# Altium PCB m-BLANC.PcbDoc (part 8 of 15)
Units mm, origin at the board's own origin, x right, y up, seen from the top; angles counter-clockwise.
Board outline 100 x 100 mm, 6 copper layers (Top Layer, InLayer1 (GND), InLayer2 (Signal), InLayer3 (PWR), InLayer4 (GND), Bottom Layer), stack 1.634 mm thick; 322 components, 563 nets, 2865 pads, 1870 vias.
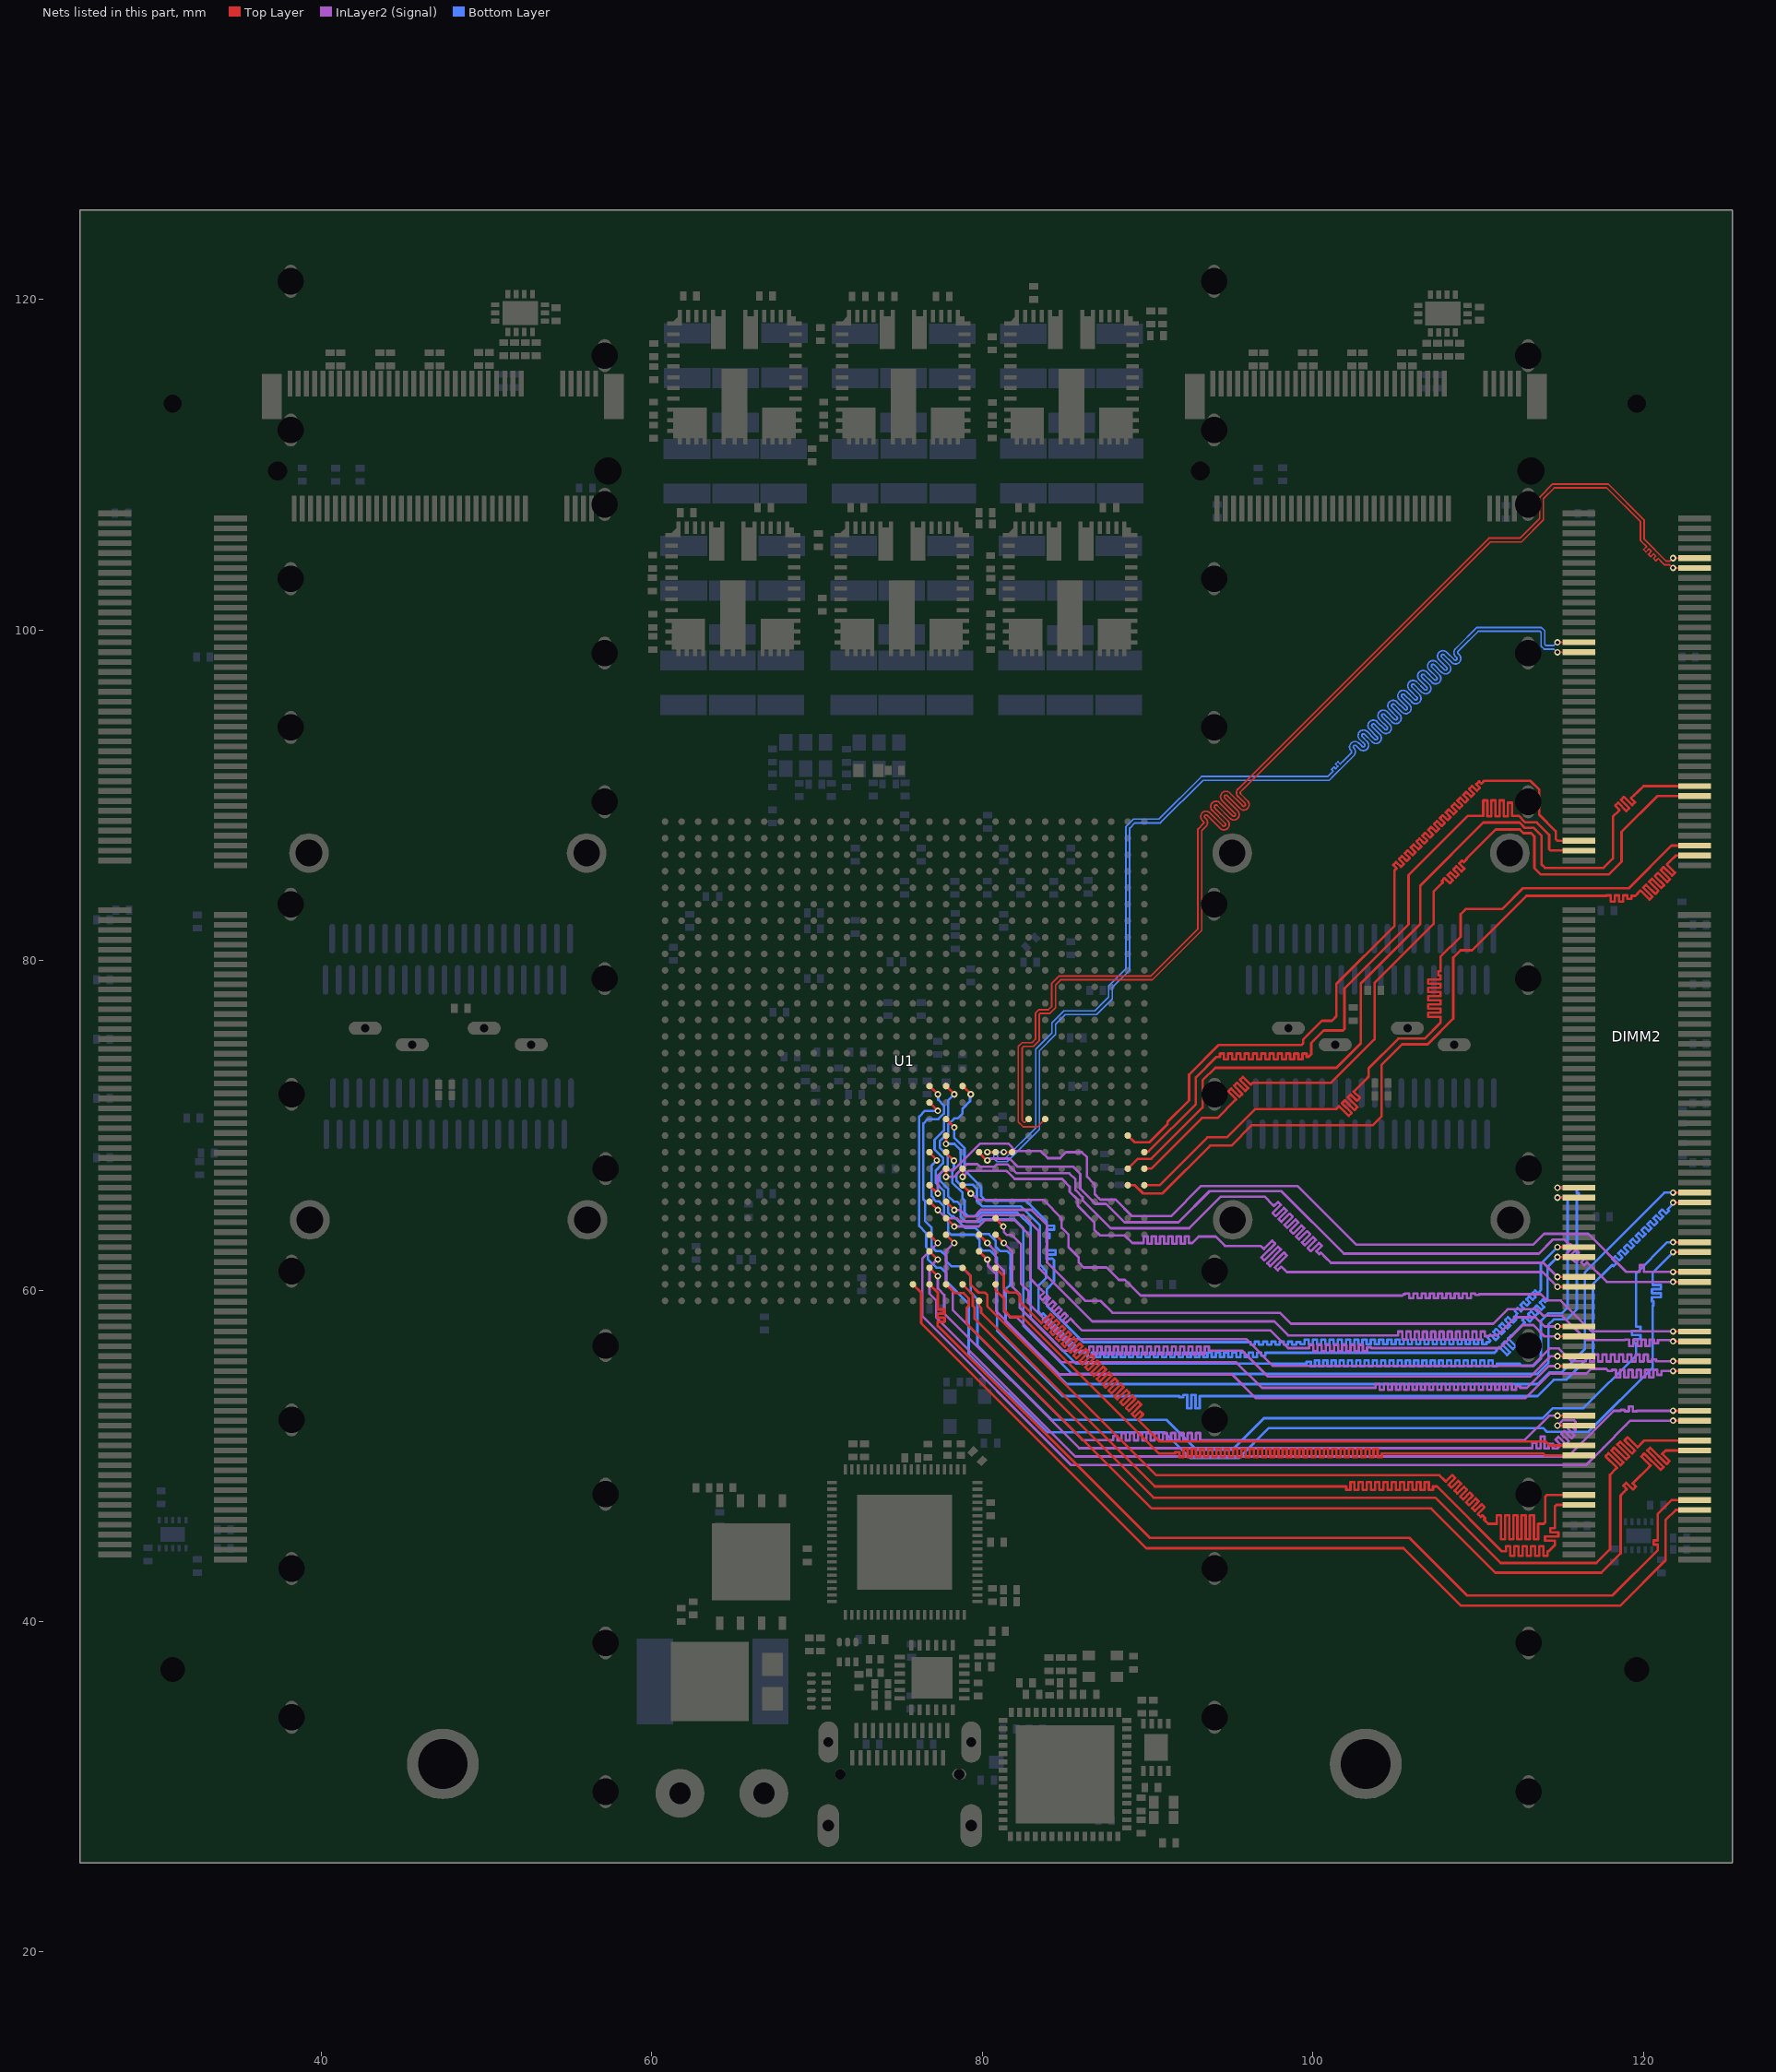
[diagram p12: the nets of this part, all layers, seen from the top]

## Via types
v1: diameter 0.4, hole 0.2, Top Layer to Bottom Layer, tented both sides, 1808 vias
v2: diameter 0.8, hole 0.4, Top Layer to Bottom Layer, tented both sides, 54 vias
v3: diameter 5, hole 3.2, Top Layer to Bottom Layer, 4 vias
v4: diameter 3.5, hole 3.2, Top Layer to Bottom Layer, 4 vias

## Nets (pads, with @x,y where several pads share a name; then routed paths per layer and width w, separated by ;. In a path a pad name is that pad's centre, name@x,y a point inside that pad or via, vN(x,y) a via of type N, cw(c..) or ccw(c..) an arc to the next point about the centre after c; other vN are vias at no path point) (continued)
DRAM2_DQ26: DIMM2.67 U1.B20 | length 55.5
  Top Layer w0.15: U1.B20@88.8,69.4 89.2,69 90.123,69 91.211,70.089 91.211,70.23 92.51,71.529 92.51,73.092 94.302,74.884 99.32,74.884 99.408,74.972 99.408,75.208 100.545,76.345 101.145,76.345 101.414,76.614 101.414,78.566 104.941,82.093 104.941,85.451 105.012,85.522 105.065,85.575 104.859,85.781 105.036,85.958 105.331,85.663 105.508,85.84 105.212,86.135 105.389,86.312 105.685,86.016 105.861,86.193 105.566,86.489 105.743,86.665 106.038,86.37 106.215,86.547 105.92,86.842 106.096,87.019 106.392,86.723 106.569,86.9 106.273,87.196 106.45,87.372 106.745,87.077 106.922,87.254 106.627,87.549 106.803,87.726 107.099,87.431 107.276,87.607 106.98,87.903 107.157,88.08 107.452,87.784 107.629,87.961 107.334,88.256 107.511,88.433 107.806,88.138 107.983,88.314 107.687,88.61 107.864,88.787 108.16,88.491 108.336,88.668 108.041,88.963 108.218,89.14 108.513,88.845 108.69,89.022 108.394,89.317 108.571,89.494 108.867,89.198 109.043,89.375 108.748,89.671 108.925,89.847 109.22,89.552 109.397,89.729 109.102,90.024 109.278,90.201 109.574,89.905 109.751,90.082 109.455,90.378 109.632,90.554 109.927,90.259 110.104,90.436 109.877,90.663 110.054,90.84 110.192,90.701 110.362,90.872 110.391,90.872 113.161,90.872 113.691,90.342 113.691,88.834 114.7,87.825 114.7,87.338 114.788,87.25 DIMM2.67@116.1,87.25
DRAM2_DQ27: DIMM2.69 U1.A21 | length 55.3
  Top Layer w0.15: U1.A21@89.8,68.4 89.847,68.447 90.054,68.447 92.918,71.311 92.918,72.916 94.168,74.166 94.297,74.166 94.372,74.166 94.372,74.366 94.622,74.366 94.622,74.023 94.872,74.023 94.872,74.366 95.122,74.366 95.122,74.023 95.372,74.023 95.372,74.366 95.622,74.366 95.622,74.023 95.872,74.023 95.872,74.366 96.122,74.366 96.122,74.023 96.372,74.023 96.372,74.366 96.622,74.366 96.622,74.023 96.872,74.023 96.872,74.366 97.122,74.366 97.122,74.023 97.372,74.023 97.372,74.366 97.622,74.366 97.622,74.023 97.872,74.023 97.872,74.366 98.122,74.366 98.122,74.023 98.372,74.023 98.372,74.366 98.622,74.366 98.622,74.023 98.872,74.023 98.872,74.366 99.122,74.366 99.122,74.023 99.372,74.023 99.372,74.366 99.622,74.366 99.622,74.166 99.744,74.166 99.829,74.251 99.9,74.322 99.9,75 100.657,75.757 101.819,75.757 101.907,75.845 101.907,78.307 105.788,82.188 105.788,85.166 109.378,88.756 110.229,88.756 110.304,88.756 110.304,89.69 110.554,89.69 110.554,88.721 110.804,88.721 110.804,89.69 111.054,89.69 111.054,88.721 111.304,88.721 111.304,89.69 111.554,89.69 111.554,88.721 111.804,88.721 111.804,89.541 112.054,89.541 112.054,88.756 112.404,88.756 112.451,88.756 112.852,88.354 113.546,88.354 114.3,87.6 114.3,86.738 114.388,86.65 DIMM2.69@116.1,86.65
DRAM2_DQ28: DIMM2.56 U1.B22 | length 56
  Top Layer w0.15: U1.B22@88.8,67.4 89.4,68 90.226,68 93.323,71.096 93.323,72.738 94.085,73.5 101.421,73.5 102.9,74.979 102.9,78.6 106.5,82.2 106.5,84.534 110.316,88.35 112.503,88.35 112.833,88.02 113.364,88.02 113.845,87.54 113.845,85.794 114.039,85.6 117.6,85.6 118.159,86.159 118.159,88.704 118.504,89.049 118.557,89.102 118.294,89.366 118.47,89.543 118.968,89.045 119.144,89.222 118.647,89.719 118.824,89.896 119.321,89.399 119.498,89.576 119.247,89.827 119.424,90.004 119.441,89.986 119.696,90.241 120.005,90.55 DIMM2.56@123.1,90.55
DRAM2_DQ29: DIMM2.58 U1.A22 | length 57.3
  Top Layer w0.15: U1.A22@89.8,67.4 90.215,67.4 93.287,70.472 94.232,70.472 95.3,71.54 95.353,71.593 94.876,72.071 95.053,72.248 95.554,71.746 95.731,71.923 95.229,72.424 95.406,72.601 95.907,72.1 96.084,72.277 95.583,72.778 95.76,72.955 96.237,72.477 96.359,72.599 96.381,72.599 101.099,72.599 103.729,75.229 103.729,78.629 107.3,82.2 107.3,84.16 107.82,84.68 107.873,84.733 107.799,84.807 107.976,84.984 108.291,84.669 108.468,84.846 108.152,85.161 108.329,85.338 108.644,85.022 108.821,85.199 108.506,85.514 108.683,85.691 108.998,85.376 109.175,85.553 108.859,85.868 109.036,86.045 109.131,85.95 109.308,86.127 109.287,86.147 109.473,86.334 111.065,87.925 112.517,87.925 112.743,87.7 113.2,87.7 113.404,87.496 113.404,85.594 113.798,85.2 117.9,85.2 118.682,85.982 118.682,87.782 120.85,89.95 DIMM2.58@123.1,89.95
DRAM2_DQ30: DIMM2.68 U1.A23 | length 57.5
  Top Layer w0.15: U1.A23@89.8,66.4 90.723,66.4 93.623,69.3 94.8,69.3 96.5,71 101.303,71 101.402,71 101.405,71.003 101.403,71.005 101.58,71.182 102.171,70.592 102.348,70.768 101.757,71.359 101.934,71.536 102.524,70.945 102.701,71.122 102.11,71.713 102.287,71.889 102.67,71.507 102.847,71.683 102.466,72.064 103.162,72.76 103.375,72.973 103.375,73.475 105.17,75.27 106.77,75.27 107.722,76.222 107.722,76.518 107.722,76.593 106.971,76.593 106.971,76.843 107.724,76.843 107.724,77.093 106.971,77.093 106.971,77.343 107.724,77.343 107.724,77.593 106.971,77.593 106.971,77.843 107.724,77.843 107.724,78.093 106.971,78.093 106.971,78.343 107.724,78.343 107.724,78.593 106.971,78.593 106.971,78.843 107.724,78.843 107.724,79.093 107.584,79.093 107.584,79.343 107.722,79.343 107.722,79.532 107.722,80.222 108.936,81.435 108.936,82.799 109.246,83.109 111.454,83.109 112.716,84.371 119.119,84.371 121.699,86.95 DIMM2.68@123.1,86.95
DRAM2_DQ31: DIMM2.70 U1.B23 | length 56.7
  Top Layer w0.15: U1.B23@88.8,66.4 89.23,66.4 89.73,65.9 90.894,65.9 93.794,68.8 95.073,68.8 96.309,70.036 103.632,70.036 104.149,70.553 104.149,73.672 105.407,74.93 106.946,74.93 108.495,76.479 108.495,80.179 108.933,80.616 109.626,80.616 112.92,83.909 117.697,83.909 117.772,83.909 117.772,83.939 118.022,83.939 118.022,83.563 118.272,83.563 118.272,83.939 118.522,83.939 118.522,83.563 118.772,83.563 118.772,83.939 119.022,83.939 119.022,83.735 119.272,83.735 119.272,83.909 119.513,83.909 119.52,83.909 119.601,83.991 119.654,84.044 119.637,84.061 119.813,84.238 120.374,83.677 120.551,83.854 119.99,84.415 120.167,84.592 120.728,84.031 120.905,84.207 120.344,84.768 120.52,84.945 121.081,84.384 121.258,84.561 120.697,85.122 120.874,85.299 121.435,84.738 121.612,84.914 121.051,85.475 121.228,85.652 121.742,85.138 121.919,85.315 121.422,85.811 121.605,85.995 121.96,86.35 DIMM2.70@123.1,86.35
DRAM2_DQ32: DIMM2.129 U1.M17 | length 67.9
  Top Layer w0.15: U1.M17@78.8,72.4 v1(79.3,71.9) ; v1(114.8,66.25) DIMM2.129@116.1,66.25
  Bottom Layer w0.15: v1(79.3,71.9) 79.252,71.852 79.252,71.484 78.8,71.033 78.8,70.752 78.494,70.446 78.307,70.446 77.925,70.064 77.925,69.402 77.798,69.275 77.645,69.275 77.425,69.055 77.425,68.675 77.9,68.2 77.9,67.525 77.65,67.275 77.645,67.275 77.425,67.055 77.425,66.696 77.925,66.196 77.925,65.745 78.27,65.4 78.471,65.4 78.675,65.196 78.675,64.511 79,64.186 79.832,64.186 79.974,64.328 81.953,64.328 82.478,63.802 82.478,57.918 85.42,54.977 113.584,54.977 114.25,55.644 114.25,57.95 114.578,58.278 115.359,58.278 115.973,58.892 115.973,65.388 115.973,65.669 116.096,65.669 116.096,65.919 115.973,65.919 115.973,65.994 115.973,66.162 115.885,66.25 v1(114.8,66.25)
DRAM2_DQ33: DIMM2.131 U1.N21 | length 75.4
  Top Layer w0.15: U1.N21@77.8,68.4 77.8,68.349 78.269,67.88 v1(78.276,67.88) ; v1(114.8,65.65) DIMM2.131@116.1,65.65
  Bottom Layer w0.15: v1(78.276,67.88) 78.276,67.407 78.175,67.306 78.175,66.555 78.8,65.93 78.8,65.602 78.925,65.477 78.925,64.745 79.145,64.525 79.691,64.525 79.909,64.743 82.107,64.743 82.925,63.925 82.925,58.356 85.683,55.598 98.501,55.598 99.625,55.598 99.625,55.724 99.875,55.724 99.875,55.441 100.125,55.441 100.125,55.795 100.375,55.795 100.375,55.441 100.625,55.441 100.625,55.795 100.875,55.795 100.875,55.441 101.125,55.441 101.125,55.795 101.375,55.795 101.375,55.441 101.625,55.441 101.625,55.795 101.875,55.795 101.875,55.441 102.125,55.441 102.125,55.795 102.375,55.795 102.375,55.441 102.625,55.441 102.625,55.795 102.875,55.795 102.875,55.441 103.125,55.441 103.125,55.795 103.375,55.795 103.375,55.441 103.625,55.441 103.625,55.795 103.875,55.795 103.875,55.441 104.125,55.441 104.125,55.795 104.375,55.795 104.375,55.441 104.625,55.441 104.625,55.795 104.875,55.795 104.875,55.441 105.125,55.441 105.125,55.795 105.375,55.795 105.375,55.441 105.625,55.441 105.625,55.795 105.875,55.795 105.875,55.441 106.125,55.441 106.125,55.795 106.375,55.795 106.375,55.441 106.625,55.441 106.625,55.795 106.875,55.795 106.875,55.441 107.125,55.441 107.125,55.795 107.375,55.795 107.375,55.441 107.625,55.441 107.625,55.795 107.875,55.795 107.875,55.441 108.125,55.441 108.125,55.795 108.375,55.795 108.375,55.441 108.625,55.441 108.625,55.795 108.875,55.795 108.875,55.441 109.125,55.441 109.125,55.795 109.375,55.795 109.375,55.441 109.625,55.441 109.625,55.795 109.875,55.795 109.875,55.441 110.125,55.441 110.125,55.795 110.375,55.795 110.375,55.441 110.625,55.441 110.625,55.795 110.875,55.795 110.875,55.441 111.125,55.441 111.125,55.598 111.2,55.598 112.522,55.598 112.646,55.474 113.374,55.474 113.8,55.9 113.8,58.197 114.256,58.653 115.078,58.653 115.415,58.99 115.415,65.485 115.25,65.65 v1(114.8,65.65)
DRAM2_DQ34: DIMM2.141 U1.N19 | length 75.5
  Top Layer w0.15: U1.N19@77.8,70.4 v1(78.3,69.9) ; v1(114.8,62.65) DIMM2.141@116.1,62.65
  Bottom Layer w0.15: v1(78.3,69.9) 78.3,69.269 78.925,68.644 78.925,67.305 79.925,66.305 79.925,65.745 80.21,65.459 82.629,65.459 83.875,64.213 83.9,64.188 83.9,63.955 84.339,63.955 84.339,63.705 83.869,63.705 83.869,63.455 84.074,63.455 84.074,63.205 83.869,63.205 83.869,62.955 83.925,62.955 83.925,62.705 83.869,62.705 83.869,62.455 84.43,62.455 84.43,62.205 83.869,62.205 83.869,61.955 84.245,61.955 84.32,61.88 84.334,61.866 84.334,60.552 83.9,60.118 83.9,59.111 86.105,56.905 94.762,56.905 96.236,56.905 96.236,56.755 96.486,56.755 96.486,56.928 96.736,56.928 96.736,56.743 96.986,56.743 96.986,56.928 97.236,56.928 97.236,56.743 97.486,56.743 97.486,56.928 97.736,56.928 97.736,56.743 97.986,56.743 97.986,56.928 98.236,56.928 98.236,56.743 98.486,56.743 98.486,56.928 98.736,56.928 98.736,56.743 98.986,56.743 98.986,56.905 99.061,56.905 99.252,56.905 99.252,56.776 99.502,56.776 99.502,57.057 99.752,57.057 99.752,56.776 100.002,56.776 100.002,57.057 100.252,57.057 100.252,56.776 100.502,56.776 100.502,57.057 100.752,57.057 100.752,56.776 101.002,56.776 101.002,57.057 101.252,57.057 101.252,56.776 101.502,56.776 101.502,57.057 101.752,57.057 101.752,56.776 102.002,56.776 102.002,57.057 102.252,57.057 102.252,56.776 102.502,56.776 102.502,57.057 102.752,57.057 102.752,56.776 103.002,56.776 103.002,57.057 103.252,57.057 103.252,56.776 103.502,56.776 103.502,57.057 103.752,57.057 103.752,56.776 104.002,56.776 104.002,57.057 104.252,57.057 104.252,56.776 104.502,56.776 104.502,57.057 104.752,57.057 104.752,56.776 105.002,56.776 105.002,57.057 105.252,57.057 105.252,56.776 105.502,56.776 105.502,57.057 105.752,57.057 105.752,56.776 106.002,56.776 106.002,57.057 106.252,57.057 106.252,56.776 106.502,56.776 106.502,57.057 106.752,57.057 106.752,56.776 107.002,56.776 107.002,57.057 107.252,57.057 107.252,56.776 107.502,56.776 107.502,57.057 107.752,57.057 107.752,56.776 108.002,56.776 108.002,57.057 108.252,57.057 108.252,56.776 108.502,56.776 108.502,57.057 108.752,57.057 108.752,56.776 109.002,56.776 109.002,57.057 109.252,57.057 109.252,56.776 109.502,56.776 109.502,57.057 109.752,57.057 109.752,56.776 110.002,56.776 110.002,57.057 110.252,57.057 110.252,56.776 110.502,56.776 110.502,56.905 110.577,56.905 110.654,56.905 110.692,56.943 110.745,56.996 110.568,57.173 110.744,57.35 111.067,57.027 111.244,57.203 110.921,57.526 111.098,57.703 111.421,57.38 111.598,57.557 111.275,57.88 111.452,58.057 111.775,57.734 111.951,57.91 111.628,58.233 111.805,58.41 112.128,58.087 112.305,58.264 112.159,58.41 112.307,58.558 112.324,58.576 112.377,58.629 112.212,58.794 112.389,58.971 112.597,58.763 112.774,58.94 112.566,59.148 112.742,59.324 112.95,59.116 113.127,59.293 112.919,59.501 113.096,59.678 113.304,59.47 113.481,59.647 113.273,59.855 113.449,60.032 113.615,59.866 113.729,59.98 113.8,60.051 113.8,61.65 v1(114.8,62.65)
DRAM2_DQ35: DIMM2.143 U1.N20 | length 73.4
  Top Layer w0.15: v1(77.8,68.9) U1.N20@77.8,69.4 ; v1(114.8,62.05) DIMM2.143@116.1,62.05
  Bottom Layer w0.15: v1(77.8,68.9) 78.315,68.9 78.675,68.54 78.675,67.305 78.425,67.055 78.425,66.68 78.675,66.43 79.42,66.43 79.675,66.175 79.675,65.457 80.015,65.117 82.339,65.117 83.489,63.967 83.489,61.581 83.863,61.208 83.863,60.789 83.407,60.333 83.407,58.729 83.534,58.602 83.587,58.549 83.678,58.64 83.855,58.463 83.655,58.263 83.832,58.087 84.032,58.286 84.208,58.11 84.008,57.91 84.185,57.733 84.385,57.933 84.562,57.756 84.362,57.556 84.539,57.379 84.739,57.579 84.915,57.403 84.716,57.203 84.892,57.026 85.092,57.226 85.269,57.049 85.069,56.849 85.246,56.672 85.446,56.872 85.623,56.696 85.423,56.496 85.599,56.319 85.708,56.428 85.873,56.263 86.049,56.263 86.124,56.263 86.124,56.271 86.374,56.271 86.374,56.002 86.624,56.002 86.624,56.271 86.874,56.271 86.874,56.002 87.124,56.002 87.124,56.271 87.374,56.271 87.374,56.002 87.624,56.002 87.624,56.271 87.874,56.271 87.874,56.002 88.124,56.002 88.124,56.271 88.374,56.271 88.374,56.002 88.624,56.002 88.624,56.271 88.874,56.271 88.874,56.002 89.124,56.002 89.124,56.271 89.374,56.271 89.374,56.002 89.624,56.002 89.624,56.271 89.874,56.271 89.874,56.002 90.124,56.002 90.124,56.271 90.374,56.271 90.374,56.002 90.624,56.002 90.624,56.271 90.874,56.271 90.874,56.002 91.124,56.002 91.124,56.271 91.374,56.271 91.374,56.002 91.624,56.002 91.624,56.271 91.874,56.271 91.874,56.002 92.124,56.002 92.124,56.271 92.374,56.271 92.374,56.002 92.624,56.002 92.624,56.271 92.874,56.271 92.874,56.002 93.124,56.002 93.124,56.271 93.374,56.271 93.374,56.002 93.624,56.002 93.624,56.271 93.874,56.271 93.874,56.002 94.124,56.002 94.124,56.271 94.374,56.271 94.374,56.002 94.624,56.002 94.624,56.271 94.874,56.271 94.874,56.002 95.124,56.002 95.124,56.271 95.374,56.271 95.374,56.002 95.624,56.002 95.624,56.271 95.874,56.271 95.874,56.002 96.124,56.002 96.124,56.271 96.374,56.271 96.374,56.002 96.624,56.002 96.624,56.271 96.874,56.271 96.874,56.087 97.124,56.087 97.124,56.263 97.504,56.263 110.991,56.263 111.069,56.342 111.123,56.395 111.101,56.416 111.277,56.593 111.748,56.123 111.925,56.3 111.454,56.77 111.631,56.947 112.101,56.476 112.278,56.653 111.808,57.123 111.985,57.3 112.006,57.278 112.07,57.342 112.764,58.036 112.817,58.089 112.669,58.237 112.845,58.414 113.116,58.143 113.293,58.32 113.022,58.591 113.199,58.768 113.47,58.497 113.646,58.674 113.376,58.945 113.552,59.121 113.823,58.851 114,59.027 113.729,59.298 113.906,59.475 114.054,59.327 114.179,59.451 114.2,59.472 114.2,61.45 v1(114.8,62.05)
DRAM2_DQ36: DIMM2.130 U1.N17 | length 69.1
  Top Layer w0.15: U1.N17@77.8,72.4 v1(78.3,71.9) ; v1(121.8,65.95) DIMM2.130@123.1,65.95
  Bottom Layer w0.15: v1(78.3,71.9) 77.925,71.525 77.925,70.579 77.675,70.329 77.675,69.705 77.111,69.141 77.111,68.56 77.615,68.055 77.615,67.715 77.175,67.275 77.175,66.555 77.675,66.055 77.675,65.575 77.925,65.325 77.925,64.745 78.145,64.525 78.242,64.525 78.948,63.819 79.571,63.819 79.948,63.442 80.403,63.442 80.804,63.041 80.804,62.69 81.075,62.419 81.475,62.419 81.7,62.194 81.7,60.4 81.405,60.105 81.405,58.081 85.126,54.36 113.603,54.36 114.304,55.062 115.046,55.062 116.455,56.471 116.455,61.127 121.278,65.95 v1(121.8,65.95)
DRAM2_DQ37: DIMM2.132 U1.P21 | length 75.1
  Top Layer w0.15: U1.P21@76.8,68.4 76.8,68.37 77.24,67.93 v1(77.24,67.9) ; v1(121.8,65.35) DIMM2.132@123.1,65.35
  Bottom Layer w0.15: v1(77.24,67.9) 76.925,67.585 76.925,65.745 77.037,65.633 77.037,65.57 77.189,65.418 77.383,65.418 77.675,65.125 77.675,64.641 77.925,64.391 77.925,63.587 78.112,63.4 79.524,63.4 79.82,63.104 79.82,62.664 80.045,62.438 80.477,62.438 80.885,62.03 80.885,57.606 84.85,53.641 91.616,53.641 91.9,53.641 91.9,53.582 92.15,53.582 92.15,53.705 92.4,53.705 92.4,52.895 92.65,52.895 92.65,53.705 92.9,53.705 92.9,52.895 93.15,52.895 93.15,53.641 93.225,53.641 113.592,53.641 114.576,54.625 115.315,54.625 116.951,56.261 116.951,60.417 117.913,61.379 118.11,61.576 118.192,61.494 118.369,61.671 118.119,61.921 118.296,62.097 118.546,61.848 118.723,62.025 118.473,62.274 118.65,62.451 118.899,62.201 119.076,62.378 118.826,62.628 119.003,62.805 119.253,62.555 119.43,62.732 119.18,62.981 119.357,63.158 119.606,62.909 119.783,63.085 119.534,63.335 119.71,63.512 119.96,63.262 120.137,63.439 119.887,63.688 120.064,63.865 120.313,63.616 120.49,63.792 120.241,64.042 120.417,64.219 120.667,63.969 120.844,64.146 120.594,64.396 120.771,64.572 121.021,64.323 121.197,64.499 120.948,64.749 121.125,64.926 121.374,64.676 121.551,64.853 121.469,64.935 121.522,64.988 121.691,65.157 121.691,65.174 121.8,65.282 v1(121.8,65.35)
DRAM2_DQ38: DIMM2.140 U1.P17 | length 74.8
  Top Layer w0.15: U1.P17@76.8,72.4 v1(77.3,71.9) ; v1(121.8,62.95) DIMM2.140@123.1,62.95
  Bottom Layer w0.15: v1(77.3,71.9) 77.329,71.871 77.329,71.571 77.675,71.225 77.675,70.745 77.33,70.399 76.685,70.399 76.425,70.139 76.425,69.745 76.425,65.538 76.537,65.426 76.537,64.218 76.926,63.828 76.926,63.135 76.925,63.134 76.925,62.678 77.189,62.414 77.507,62.414 77.8,62.12 77.8,61.823 78.123,61.5 78.7,61.5 79.3,60.9 79.3,59.9 79.702,59.498 79.702,56.695 84.196,52.2 91.143,52.2 92.94,50.404 95.144,50.404 97.04,52.3 113.91,52.3 114.511,52.901 116.374,52.901 119.562,56.088 119.562,56.205 119.562,56.834 119.44,56.834 119.44,57.084 119.826,57.084 119.826,57.334 119.304,57.334 119.304,57.584 119.826,57.584 119.826,57.834 119.562,57.834 119.562,57.909 119.562,61.062 121.45,62.95 v1(121.8,62.95)
DRAM2_DQ39: DIMM2.142 U1.P18 | length 75.2
  Top Layer w0.15: U1.P18@76.8,71.4 v1(77.3,70.9) ; v1(121.8,62.35) DIMM2.142@123.1,62.35
  Bottom Layer w0.15: v1(77.3,70.9) 76.529,70.9 76.175,70.546 76.175,63.923 76.6,63.498 76.6,62.649 76.7,62.549 76.7,61.936 77.222,61.413 77.467,61.413 77.8,61.08 77.8,60.6 79.17,59.23 79.17,56.186 83.9,51.456 91.005,51.456 92.561,49.9 95.533,49.9 97.333,51.7 113.937,51.7 114.162,51.475 116.672,51.475 120.564,55.367 120.564,58.695 120.564,59.114 120.603,59.114 120.603,59.364 120.518,59.364 120.518,59.614 121.06,59.614 121.06,59.864 120.518,59.864 120.518,60.114 121.06,60.114 121.06,60.364 120.564,60.364 120.564,60.439 120.564,61.114 v1@121.793,62.343
DRAM2_DQ40: DIMM2.147 U1.N22 | length 55
  Top Layer w0.15: v1(77.8,66.9) U1.N22@77.8,67.4 ; v1(114.8,60.85) DIMM2.147@116.1,60.85
  InLayer2 (Signal) w0.15: v1(77.8,66.9) 78.27,66.9 79.046,67.676 79.706,67.676 79.857,67.525 80.734,67.525 80.869,67.66 81.527,67.66 82.063,67.124 85.253,67.124 85.633,66.744 85.633,66.101 86.064,65.67 86.064,65.488 87.76,63.793 92.515,63.793 94.432,65.709 97.086,65.709 97.596,65.199 97.649,65.146 97.89,65.387 98.067,65.21 97.564,64.707 97.741,64.53 98.244,65.033 98.42,64.856 97.917,64.353 98.094,64.176 98.597,64.68 98.774,64.503 98.271,64 98.448,63.823 98.951,64.326 99.128,64.149 98.624,63.646 98.801,63.469 99.304,63.972 99.481,63.796 98.978,63.293 99.155,63.116 99.658,63.619 99.835,63.442 99.332,62.939 99.508,62.762 100.011,63.265 100.188,63.089 99.685,62.585 99.862,62.409 100.365,62.912 100.542,62.735 100.212,62.406 100.389,62.229 100.478,62.318 100.746,62.049 101.095,61.7 113.95,61.7 v1(114.8,60.85)
DRAM2_DQ41: DIMM2.149 U1.M22 | length 53.9
  Top Layer w0.15: U1.M22@78.8,67.4 78.824,67.376 78.824,67.009 v1@78.848,66.985 ; v1(114.8,60.25) DIMM2.149@116.1,60.25
  InLayer2 (Signal) w0.15: v1@78.799,66.899 79.175,67.275 81.455,67.275 81.513,67.217 ; 81.513,67.217 81.955,66.775 84.82,66.775 85.283,66.312 85.283,66.002 85.769,65.516 85.769,65.151 86.768,64.152 86.768,63.711 87.118,63.361 88.612,63.361 89.073,62.9 89.676,62.9 89.751,62.9 89.751,63.313 90.001,63.313 90.001,62.861 90.251,62.861 90.251,63.313 90.501,63.313 90.501,62.861 90.751,62.861 90.751,63.313 91.001,63.313 91.001,62.861 91.251,62.861 91.251,63.313 91.501,63.313 91.501,62.861 91.751,62.861 91.751,63.313 92.001,63.313 92.001,62.861 92.251,62.861 92.251,63.313 92.501,63.313 92.501,62.9 92.59,62.9 92.7,62.9 93.086,63.286 94.114,63.286 94.672,62.728 96.844,62.728 96.986,62.586 97.039,62.533 97.541,63.035 97.718,62.859 96.888,62.028 97.065,61.851 97.895,62.682 98.072,62.505 97.241,61.675 97.418,61.498 98.249,62.328 98.425,62.151 97.696,61.422 97.872,61.245 98.099,61.472 98.283,61.288 98.43,61.141 113.909,61.141 v1(114.8,60.25)